# Allegro board MCU075A_LP-CC2652R7.brd (continued)
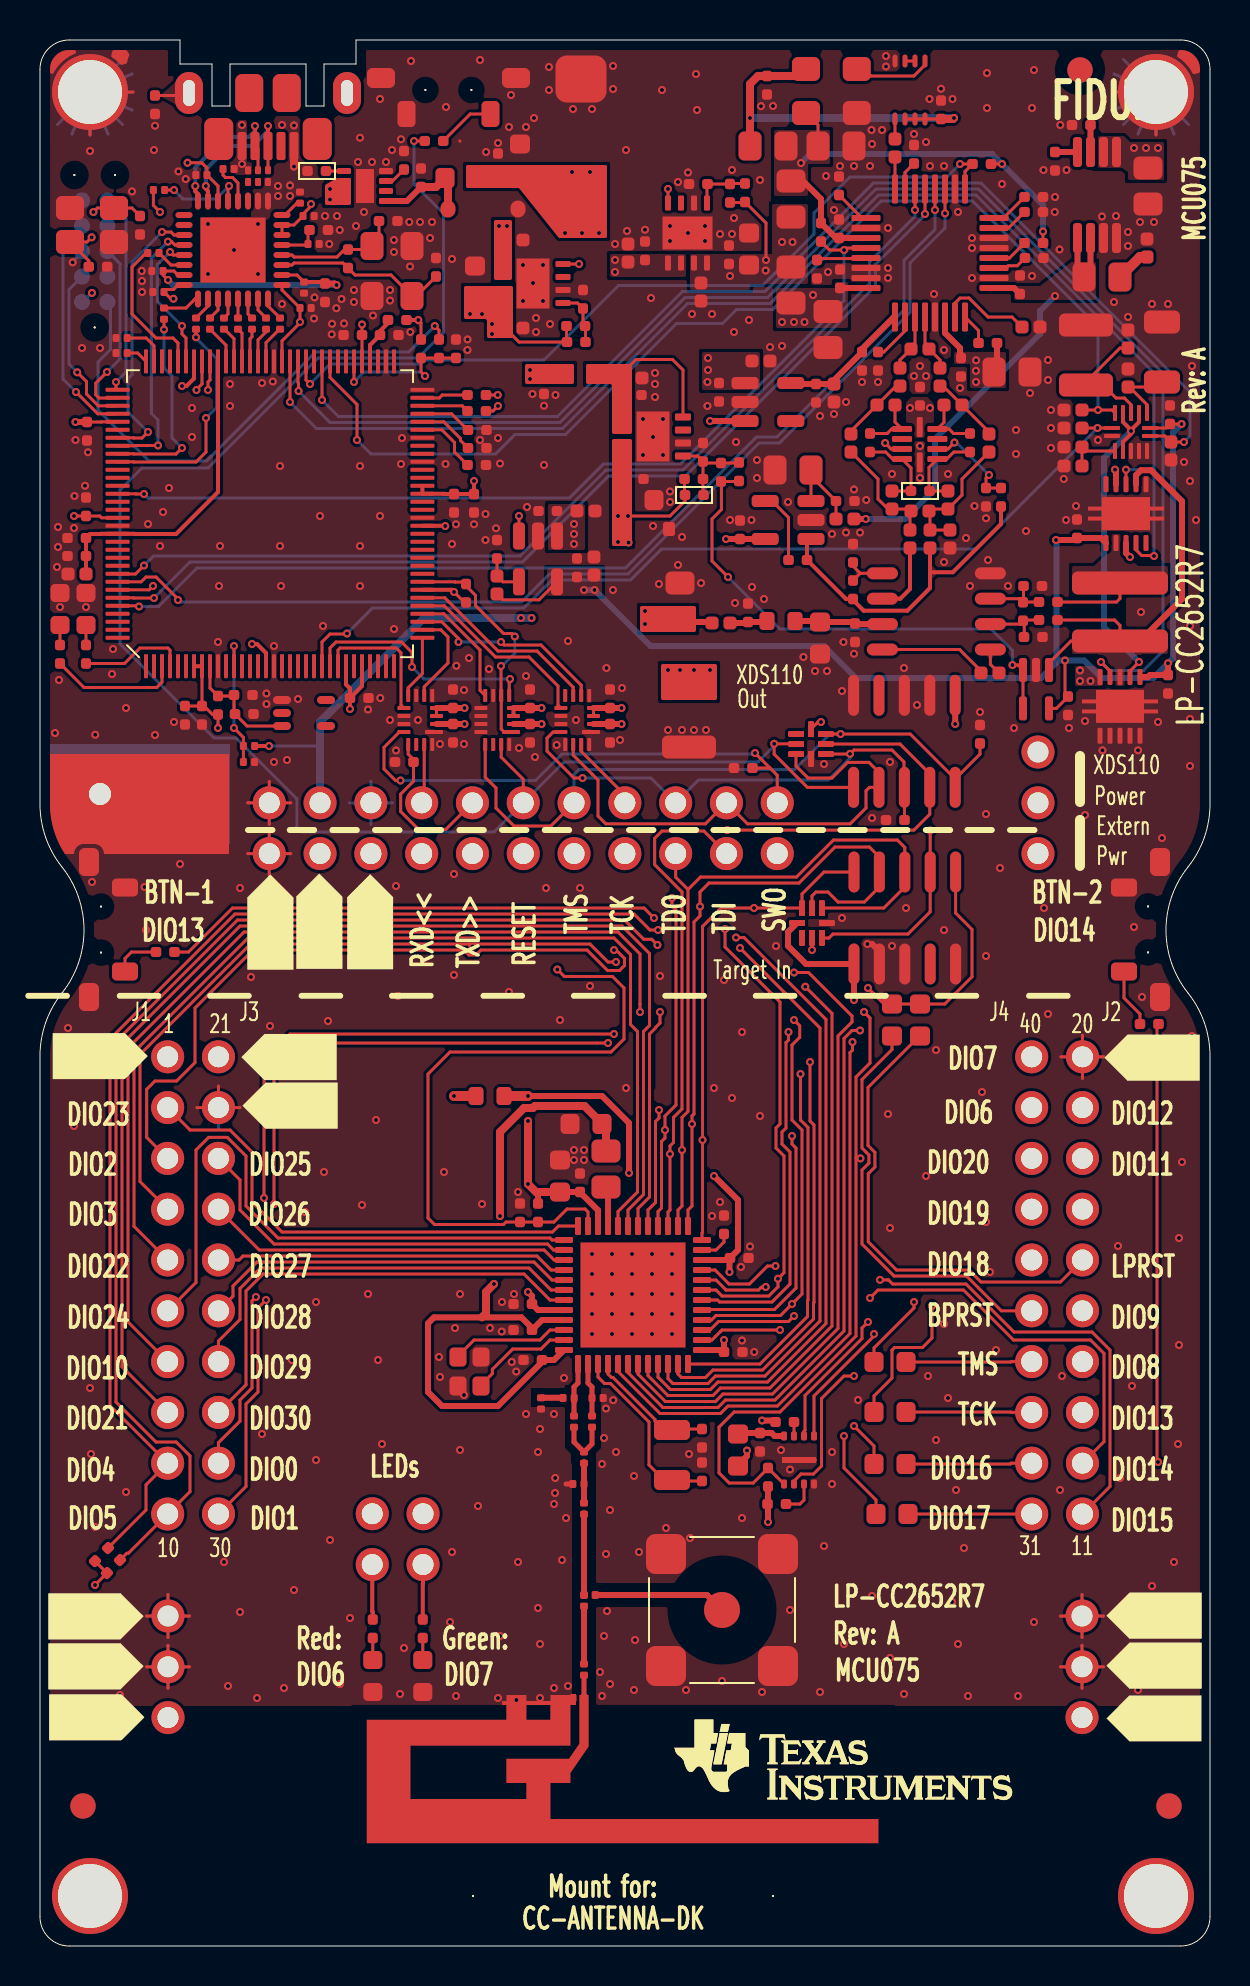
[diagram p0: board, top side]
## Library data of the parts (continued)
U8-U10 = IC_XCVR_SN74AVC4T245_UQFN16_2: User Part Number: #PN; alternate symbols: (QFNFC40P180X260X55-16A2L,QFNFC40P180X260X55-16A2M)
U15 = IC_PROC_USB3300_QFN32: alternate symbols: (QFNWB50P500X500X100-33L,QFNWB50P500X500X100-33M,QFNWB50P500X500X100-33DL,QFNWB50P500X500X100-33DM)
U33 U38 = IC_SWITCH_TS3A24159_SON10: User Part Number: #PN; alternate symbols: (SON50P300X300X100-11A2L,SON50P300X300X100-11A2M)
U34 = IC_LOGIC_SN74LVC2G74_VSSOP8: alternate symbols: (SOP50P310X90-8L,SOP50P310X90-8M)
U35 = IC_ADC_ADS127L01_QFP32_0: User Part Number: #PN; alternate symbols: (QFP50P700X700X120-32A2L,QFP50P700X700X120-32A2M)
U36 = IC_OPAMP_INA118U_SO8: alternate symbols: (SOIC127P600X175-8A2L,SOIC127P600X175-8A2M)
U37 = IC_OPAMP_THS4551_QFN10: User Part Number: #PN; alternate symbols: (QFNFCP50P200X200X80-10A2L,QFNFCP50P200X200X80-10A2M)
U39 = IC_SWITCH_TS3A4751_QFN14: User Part Number: #PN; alternate symbols: (QFNFC40P200X200X40-14A2L,QFNFC40P200X200X40-14A2M)
U40 = IC_REF_REF6025_VSSOP8: User Part Number: #PN; alternate symbols: (SOP65P490X110-8A2L,SOP65P490X110-8A2M)
U41 = IC_OPAMP_OPA320_SOT23-5: User Part Number: #PN; alternate symbols: (SOT95P280X145-5A2L,SOT95P280X145-5A2M)
U43 = IC_PM_LP5907-1_8_SOT23-5: User Part Number: #PN; alternate symbols: (SOT95P280X145-5A2L,SOT95P280X145-5A2M)
U44 = IC_PM_TPS73101_SOT23-5: User Part Number: #PN; alternate symbols: (SOT95P280X145-5A2L,SOT95P280X145-5A2M)
U45 = IC_OPAMP_OPA314_SC70-5: User Part Number: #PN; alternate symbols: (SOT65P210X110-5A2L,SOT65P210X110-5A2M)
U47 = IC_PM_TPS259530_WSON8: alternate symbols: (SON50P200X200X80-9A2L,SON50P200X200X80-9A2M)
Y1 = XTAL: User Part Number: #PN; alternate symbols: (XTAL_TZ1166C_B2L,XTAL_TZ1166C_B2M)
Y2 = XTAL_4_V3: User Part Number: #PN; alternate symbols: (OSCCC200X160X50-4A2L,OSCCC200X160X50-4A2M)
Y3 = XTAL_4: alternate symbols: (OSCCC250X320X100-4BL,OSCCC250X320X100-4BM)
Y4 = XTAL_4: alternate symbols: (OSCCC250X320X70-4AL,OSCCC250X320X70-4AM)
Y5 = XTAL_GEN_EN_V1: User Part Number: #PN; alternate symbols: (OSCSC254P320X500X130-4A2L,OSCSC254P320X500X130-4A2M)

## Footprints (pads in the part's own frame, mm; a bottom-side part is the same pattern mirrored in y, then rotated)
ANTENNA_DN007AN
  rect 0.46x0.5 smd: 1(0,0)
  rect 1.001x0.5 smd: 2(1.18,0) 3(3.38,0)
CAPC0603X35B2N
  custom 0.35x0.4 smd: 1(0,0) 2(0.56,0)
CAPC1005X60A2N
  custom 0.65x0.64 smd: 1(0,0) 2(0.9,0)
CAPC1005X60B2N
  custom 0.524x0.5 smd: 1(0,0) 2(0.924,0)
CAPC1608X90A2N
  custom 0.95x1 smd: 1(0,0) 2(1.6,0)
CAPC1608X100A2N
  custom 0.95x1 smd: 1(0,0) 2(1.6,0)
CAPC2012X150A2N
  custom 1.15x1.45 smd: 1(0,0) 2(1.8,0)
CAPC3225X280A2N
  custom 1.15x2.7 smd: 1(0,0) 2(3,0)
CAPMP7343X200N
  custom 2.35x2.55 smd: 1(0,0) 2(6.2,0)
DIO_BZX84JN
  custom 0.6x0.7 smd: 1(0,0) 2(2.2,0)
FID127X142
  round 1.27 smd: 1(0,0)
FIL_BLM18HE152SN1DN
  custom 0.95x1 smd: 1(0,0) 2(1.6,0)
FIL_BLM18HE152SN1DN#2
  custom 0.752x0.9 smd: 1(0,0) 2(1.4,0)
FILC2012X110A2N
  custom 1.15x1.45 smd: 1(0,0) 2(1.8,0)
GRADCONN_BB02HC031KB1603000_A2B
  round 1.65 hole 1.05: 1(0,0) 2(2.54,0) 3(5.08,0)
GRADCONN_BB02HJ041KB1603000_A2B
  round 1.65 hole 1.05: 1(0,0) 2(0,2.54) 3(2.54,0) 4(2.54,2.54)
GRADCONN_BB02HJ221KB160300_A2B
  round 1.65 hole 1.05: 1(0,0) 2(0,2.54) 3(2.54,0) 4(2.54,2.54) 5(5.08,0) 6(5.08,2.54) 7(7.62,0) 8(7.62,2.54) 9(10.16,0) 10(10.16,2.54) 11(12.7,0) 12(12.7,2.54) 13(15.24,0) 14(15.24,2.54) 15(17.78,0) 16(17.78,2.54) 17(20.32,0) 18(20.32,2.54) 19(22.86,0) 20(22.86,2.54) 21(25.4,0) 22(25.4,2.54)
HUSTSAN_SMA10V21TGGAN
  round 1.8 smd: 1(0,0)
  custom 2x2 smd: 2(-2.8,-2.8) 3(2.8,-2.8) 4(2.8,2.8) 5(-2.8,2.8)
INDC0603X33A2N
  custom 0.35x0.4 smd: 1(0,0) 2(0.56,0)
INDC2012X150A2N
  custom 1.15x1.45 smd: 1(0,0) 2(1.8,0)
LEDC1608X40N
  custom 0.9x0.95 smd: 1(0,0) 2(1.6,0)
LEDC1608X80B2N
  custom 0.9x0.95 smd: 1(0,0) 2(1.6,0)
MOLEX_1051640001_B2N
  custom 1.45x2.1 smd: (-1.162,0.35) (3.762,0.35)
  custom 1.4x1.9 smd: (0.362,2.65) (2.238,2.65)
  custom 0.45x1.4 smd: 1(0,0) 2(0.65,0) 3(1.3,0) 4(1.95,0) 5(2.6,0)
  oval 1.4x2.1 hole 0.6x1.3: M1(-2.65,2.65) M2(5.25,2.65)
MTG110_170
  round 1.699 hole 1.1: 1(0,0)
MTG320_380
  round 3.8 hole 3.2: 1(0,0)
OSCCC200X160X50-4A2N
  custom 0.95x0.85 smd: 1(0,0) 2(1.45,0) 3(1.45,1.15) 4(0,1.15)
OSCCC250X320X70-4AN
  custom 1.4x1.15 smd: 1(0,0) 2(2.5,0) 3(2.5,2) 4(0,2)
OSCCC250X320X100-4BN
  custom 1.402x1.198 smd: 1(0,0) 2(2.2,0) 3(2.2,1.7) 4(0,1.7)
OSCSC254P320X500X130-4A2N
  custom 1.4x1.2 smd: 1(0,0) 2(2.54,0) 3(2.54,2.2) 4(0,2.2)
QFN50P150X150X60-8N
  custom 0.3x0.8 smd: 1(0,0) 2(0.5,0) 3(1,0) 5(1,1.5) 6(0.5,1.5) 7(0,1.5)
  custom 0.8x0.3 smd: 4(1.25,0.75) 8(-0.25,0.75)
QFNFC40P180X260X55-16A2N
  custom 0.2x0.9 smd: 1(0,0)
  custom 0.2x0.65 smd: 2(0.4,-0.125) 3(0.8,-0.125) 4(1.2,-0.125) 9(1.2,1.505) 10(0.8,1.505) 11(0.4,1.505) 12(0,1.505)
  custom 0.65x0.2 smd: 5(1.825,0.09) 6(1.825,0.49) 7(1.825,0.89) 8(1.825,1.29) 13(-0.625,1.29) 14(-0.625,0.89) 15(-0.625,0.49) 16(-0.625,0.09)
QFNFC40P200X200X40-14A2N
  custom 0.2x0.8 smd: 1(0,0) 2(0.4,0) 3(0.8,0) 4(1.2,0) 5(1.6,0) 8(1.6,1.9) 9(1.2,1.9) 10(0.8,1.9) 11(0.4,1.9) 12(0,1.9)
  custom 0.8x0.2 smd: 6(1.75,0.75) 7(1.75,1.15) 13(-0.15,1.15) 14(-0.15,0.75)
QFNFC50P700X700X100-49A2N
  custom 0.3x0.9 smd: 1(0,0) 2(0.5,0) 3(1,0) 4(1.5,0) 5(2,0) 6(2.5,0) 7(3,0) 8(3.5,0) 9(4,0) 10(4.5,0) 11(5,0) 12(5.5,0) 25(5.5,6.9) 26(5,6.9) 27(4.5,6.9) 28(4,6.9) 29(3.5,6.9) 30(3,6.9) 31(2.5,6.9) 32(2,6.9) 33(1.5,6.9) 34(1,6.9) 35(0.5,6.9) 36(0,6.9)
  custom 0.9x0.3 smd: 13(6.2,0.7) 14(6.2,1.2) 15(6.2,1.7) 16(6.2,2.2) 17(6.2,2.7) 18(6.2,3.2) 19(6.2,3.7) 20(6.2,4.2) 21(6.2,4.7) 22(6.2,5.2) 23(6.2,5.7) 24(6.2,6.2) 37(-0.7,6.2) 38(-0.7,5.7) 39(-0.7,5.2) 40(-0.7,4.7) 41(-0.7,4.2) 42(-0.7,3.7) 43(-0.7,3.2) 44(-0.7,2.7) 45(-0.7,2.2) 46(-0.7,1.7) 47(-0.7,1.2) 48(-0.7,0.7)
  rect 5.25x5.25 smd: 49(2.75,3.45)
QFNFCP50P200X200X80-10A2N
  custom 0.3x1 smd: 1(0,0) 2(0.5,0) 3(1,0) 4(1.5,0) 6(1.5,1.77) 7(1,1.77) 8(0.5,1.77) 9(0,1.77)
  custom 1x0.3 smd: 5(1.67,0.885) 10(-0.1,0.885)
QFNWB50P500X500X100-33N
  oval 0.3x0.851 smd: 1(0,0) 2(0.5,0) 3(1,0) 4(1.5,0) 5(2,0) 6(2.5,0) 7(3,0) 8(3.5,0) 17(3.5,4.9) 18(3,4.9) 19(2.5,4.9) 20(2,4.9) 21(1.5,4.9) 22(1,4.9) 23(0.5,4.9) 24(0,4.9)
  oval 0.851x0.3 smd: 9(4.2,0.7) 10(4.2,1.2) 11(4.2,1.7) 12(4.2,2.2) 13(4.2,2.7) 14(4.2,3.2) 15(4.2,3.7) 16(4.2,4.2) 25(-0.7,4.2) 26(-0.7,3.7) 27(-0.7,3.2) 28(-0.7,2.7) 29(-0.7,2.2) 30(-0.7,1.7) 31(-0.7,1.2) 32(-0.7,0.7)
  rect 3.25x3.25 smd: 33(1.75,2.45)
QFP40P1600X1600X120-128A2N
  custom 0.2x1.2 smd: 1(0,0) 2(0.4,0) 3(0.8,0) 4(1.2,0) 5(1.6,0) 6(2,0) 7(2.4,0) 8(2.8,0) 9(3.2,0) 10(3.6,0) 11(4,0) 12(4.4,0) 13(4.8,0) 14(5.2,0) 15(5.6,0) 16(6,0) 17(6.4,0) 18(6.8,0) 19(7.2,0) 20(7.6,0) 21(8,0) 22(8.4,0) 23(8.8,0) 24(9.2,0) 25(9.6,0) 26(10,0) 27(10.4,0) 28(10.8,0) 29(11.2,0) 30(11.6,0) 31(12,0) 32(12.4,0) 65(12.4,15.24) 66(12,15.24) 67(11.6,15.24) 68(11.2,15.24) 69(10.8,15.24) 70(10.4,15.24) 71(10,15.24) 72(9.6,15.24) 73(9.2,15.24) 74(8.8,15.24) 75(8.4,15.24) 76(8,15.24) 77(7.6,15.24) 78(7.2,15.24) 79(6.8,15.24) 80(6.4,15.24) 81(6,15.24) 82(5.6,15.24) 83(5.2,15.24) 84(4.8,15.24) 85(4.4,15.24) 86(4,15.24) 87(3.6,15.24) 88(3.2,15.24) 89(2.8,15.24) 90(2.4,15.24) 91(2,15.24) 92(1.6,15.24) 93(1.2,15.24) 94(0.8,15.24) 95(0.4,15.24) 96(0,15.24)
  custom 1.2x0.2 smd: 33(13.82,1.42) 34(13.82,1.82) 35(13.82,2.22) 36(13.82,2.62) 37(13.82,3.02) 38(13.82,3.42) 39(13.82,3.82) 40(13.82,4.22) 41(13.82,4.62) 42(13.82,5.02) 43(13.82,5.42) 44(13.82,5.82) 45(13.82,6.22) 46(13.82,6.62) 47(13.82,7.02) 48(13.82,7.42) 49(13.82,7.82) 50(13.82,8.22) 51(13.82,8.62) 52(13.82,9.02) 53(13.82,9.42) 54(13.82,9.82) 55(13.82,10.22) 56(13.82,10.62) 57(13.82,11.02) 58(13.82,11.42) 59(13.82,11.82) 60(13.82,12.22) 61(13.82,12.62) 62(13.82,13.02) 63(13.82,13.42) 64(13.82,13.82) 97(-1.42,13.82) 98(-1.42,13.42) 99(-1.42,13.02) 100(-1.42,12.62) 101(-1.42,12.22) 102(-1.42,11.82) 103(-1.42,11.42) 104(-1.42,11.02) 105(-1.42,10.62) 106(-1.42,10.22) 107(-1.42,9.82) 108(-1.42,9.42) 109(-1.42,9.02) 110(-1.42,8.62) 111(-1.42,8.22) 112(-1.42,7.82) 113(-1.42,7.42) 114(-1.42,7.02) 115(-1.42,6.62) 116(-1.42,6.22) 117(-1.42,5.82) 118(-1.42,5.42) 119(-1.42,5.02) 120(-1.42,4.62) 121(-1.42,4.22) 122(-1.42,3.82) 123(-1.42,3.42) 124(-1.42,3.02) 125(-1.42,2.62) 126(-1.42,2.22) 127(-1.42,1.82) 128(-1.42,1.42)
QFP50P700X700X120-32A2N
  custom 0.3x1.45 smd: 1(0,0) 2(0.5,0) 3(1,0) 4(1.5,0) 5(2,0) 6(2.5,0) 7(3,0) 8(3.5,0) 17(3.5,6.4) 18(3,6.4) 19(2.5,6.4) 20(2,6.4) 21(1.5,6.4) 22(1,6.4) 23(0.5,6.4) 24(0,6.4)
  custom 1.45x0.3 smd: 9(4.95,1.45) 10(4.95,1.95) 11(4.95,2.45) 12(4.95,2.95) 13(4.95,3.45) 14(4.95,3.95) 15(4.95,4.45) 16(4.95,4.95) 25(-1.45,4.95) 26(-1.45,4.45) 27(-1.45,3.95) 28(-1.45,3.45) 29(-1.45,2.95) 30(-1.45,2.45) 31(-1.45,1.95) 32(-1.45,1.45)
RESC0603X35B2N
  custom 0.35x0.4 smd: 1(0,0) 2(0.56,0)
RESC1005X40A2N
  custom 0.65x0.64 smd: 1(0,0) 2(0.9,0)
RESC1005X40B2N
  custom 0.524x0.5 smd: 1(0,0) 2(0.924,0)
RESC1005X50A2N
  custom 0.65x0.64 smd: 1(0,0) 2(0.9,0)
RESC1608X55A2N
  custom 0.95x1 smd: 1(0,0) 2(1.6,0)
RESC1608X55N
  custom 0.95x1 smd: 1(0,0) 2(1.6,0)
RESC3216X75A2N
  custom 1.15x1.8 smd: 1(0,0) 2(3,0)
RESC3225X75A2N
  custom 1.15x2.7 smd: 1(0,0) 2(3,0)
RESC3246X70A2N
  custom 1.15x4.8 smd: 1(0,0) 2(2.9,0)
SAMTEC_FTSH-105-01-F-DV-K-10L
  oval 0.551x2.05 smd: 1(0,0) 2(0,4.6) 3(1.27,0) 4(1.27,4.6) 5(2.54,0) 6(2.54,4.6) 7(3.81,0) 8(3.81,4.6) 9(5.08,0) 10(5.08,4.6)
SAMTEC_SSQ11023LD_A2B
  round 1.65 hole 1.05: 1(0,0) 2(2.54,0) 3(0,2.54) 4(2.54,2.54) 5(0,5.08) 6(2.54,5.08) 7(0,7.62) 8(2.54,7.62) 9(0,10.16) 10(2.54,10.16) 11(0,12.7) 12(2.54,12.7) 13(0,15.24) 14(2.54,15.24) 15(0,17.78) 16(2.54,17.78) 17(0,20.32) 18(2.54,20.32) 19(0,22.86) 20(2.54,22.86)
SOD3716X135N
  oval 0.75x0.85 smd: 1(0,0) 2(3.5,0)
SOIC127P600X175-8N
  oval 0.6x1.55 smd: 1(0,0) 2(1.27,0) 3(2.54,0) 4(3.81,0) 5(3.81,5.4) 6(2.54,5.4) 7(1.27,5.4) 8(0,5.4)
SON50P100X145X60-6N
  custom 0.3x0.402 smd: 1(0,0) 2(0.5,0) 3(1,0) 4(1,0.59) 5(0.5,0.59) 6(0,0.59)
SON50P200X200X80-9A2N
  custom 0.3x0.7 smd: 1(0,0) 2(0.5,0) 3(1,0) 4(1.5,0) 5(1.5,2.1) 6(1,2.1) 7(0.5,2.1) 8(0,2.1)
  rect 1.7x0.9 smd: 9(0.75,1.05)
SON50P300X200X60-9B2L
  custom 0.3x0.45 smd: 1(0,0) 2(0.5,0) 3(1,0) 4(1.5,0) 5(1.5,2.4) 6(1,2.4) 7(0.5,2.4) 8(0,2.4)
  rect 1.7x0.3 smd: 9(0.75,1.2)
SON50P300X300X100-11A2N
  custom 0.25x0.8 smd: 1(0,0) 2(0.5,0) 3(1,0) 4(1.5,0) 5(2,0) 6(2,2.94) 7(1.5,2.94) 8(1,2.94) 9(0.5,2.94) 10(0,2.94)
  custom 3.8x1.65 smd: 11(1,1.47)
SON65P300X300X100-9AN
  custom 0.3x0.75 smd: 1(0,0) 2(0.65,0) 3(1.3,0) 4(1.95,0) 5(1.95,3) 6(1.3,3) 7(0.65,3) 8(0,3)
  rect 2.5x1.65 smd: 9(0.975,1.5)
SON65P300X300X100-9AN#2
  custom 0.35x0.8 smd: 1(0,0) 2(0.65,0) 3(1.3,0) 4(1.95,0) 5(1.95,3) 6(1.3,3) 7(0.65,3) 8(0,3)
  rect 2.5x1.65 smd: 9(0.975,1.5)
SOP50P310X90-8N
  oval 0.25x0.65 smd: 1(0,0) 2(0.5,0) 3(1,0) 4(1.5,0) 5(1.5,2.9) 6(1,2.9) 7(0.5,2.9) 8(0,2.9)
SOP65P490X110-8A2N
  custom 0.45x1.5 smd: 1(0,0) 2(0.65,0) 3(1.3,0) 4(1.95,0) 5(1.95,4.3) 6(1.3,4.3) 7(0.65,4.3) 8(0,4.3)
SOT65P210X110-5A2N
  custom 0.4x1.2 smd: 1(0,0) 2(0.65,0) 3(1.3,0) 4(1.3,1.92) 5(0,1.92)
SOT65P210X110-5N
  oval 0.399x0.899 smd: 1(0,0) 2(0.65,0) 3(1.3,0) 4(1.3,2.2) 5(0,2.2)
SOT95P280X145-5A2N
  custom 0.6x1.35 smd: 1(0,0) 2(0.95,0) 3(1.9,0) 4(1.9,2.29) 5(0,2.29)
SW_1188E1K2V_A2N
  round 0.099 hole 0.899 unplated: (2.229,0.6) (4.529,0.6)
  custom 1.4x1 smd: 1(0,0) 2(6.75,0)
  custom 0.9x1.3 smd: 3(1.275,1.8) 4(5.475,1.8)
TAGCONNECT_TC2050IDCNL_A2N
  round 0.1 hole 1 unplated: (-1.27,0.635) (6.35,-0.38) (6.35,1.65)
  round 0.8 smd: 1(0,0) 2(1.27,0) 3(2.54,0) 4(3.81,0) 5(5.08,0) 6(5.08,1.27) 7(3.81,1.27) 8(2.54,1.27) 9(1.27,1.27) 10(0,1.27)
unnamed#2
  round 0.099 hole 3.2 unplated: (0,0) (15,0)
XTAL_TZ1166C_B2N
  custom 1x1.8 smd: 1(0,0) 2(2.5,0)

## Nets
5V0: C48.1 C110.1 C111.2 C112.1 C151.1 C152.1 C157.1 C160.1 C161.1 C164.1 C168.1 C484.1 FL2.1 FL5.2 P4.19 R92.2 R354.2 U7.1 U7.2 U7.8 U42.1 U42.2 U42.8 U43.1 U43.3 U44.1 U44.3
5V0_BP: J1.2 P2.1 P4.20
GND: A1.2 A1.3(GND_3) C1.2 C2.2 C3.2 C4.2 C6.2 C7.2 C8.2 C9.2 C11.1 C15.1 C17.2 C18.2 C19.2 C20.2 C21.2 C22.1 C30.2 C38.2 C39.2 C40.2 C42.2 C43.2 C44.2 C45.2 C46.2 C48.2 C49.2 C50.2 C70.2 C71.2 C72.2 C73.2 C74.2 C75.2 C78.2 C79.2 C80.2 C83.2 C84.2 C85.1 C86.1 C87.2 C88.1 C89.2 C99.2 C101.2 C102.2 C103.2 C104.2 C105.2 C106.2 C107.2 C108.2 C109.2 C110.2 C111.1 C112.2 C113.2 C114.2 C115.2 C116.2 C117.2 C118.2 C119.2 C120.2 C121.2 C122.2 C124.1 C125.1 C126.1 C127.2 C128.2 C133.2 C134.2 C136.2 C137.2 C138.2 C139.2 C140.2 C141.2 C142.2 C143.2 C144.2 C145.2 C147.2 C149.2 C151.2 C152.2 C154.2 C155.2 C156.2 C157.2 C158.2 C159.2 C160.2 C161.2 C162.2 C163.2 C164.2 C165.2 C166.2 C168.2 C170.1 C171.2 C174.2 C175.2 C484.2 C485.2 C486.2 CR1.1(C) CR2.1(C) CR4.1(C) CR5.1(C) CR6.3 CR7.4 CR8.4 CR14.2 CR15.2 J1.4 J2.2 J6.5 MH3.1 MH4.1 MH5.1 P1.2 P1.3 P2.2 P2.3 P4.21 P4.22 P5.3 P5.5 P5.9 P7.3 P7.5 P7.9 P8.3 P8.5 P8.9 P11.2 P11.3 P11.4 P11.5 R21.2 R28.1 R29.2 R30.2 R32.1 R34.1 R61.1 R62.1 R63.1 R65.1 R84.1 R90.1 R91.1 R93.2 R97.2 R105.1 R106.1 R115.2 R116.1 R117.1 R118.1 R122.1 R123.1 R125.1 R126.2 R127.2 R128.2 R129.2 R130.2 R133.1 R135.1 R136.1 R152.1 R353.1 SW1.1 SW1.2 SW1.3 SW2.1 SW2.2 SW2.4 SW3.1 SW3.2 SW3.4 U1.49 U4.4 U4.9 U5.10 U5.17 U5.48 U5.55 U5.58 U5.64 U5.66 U5.80 U5.114 U6.1 U7.6 U7.9 U8.1 U8.5 U8.7 U8.10 U8.11 U8.16 U9.1 U9.5 U9.10 U9.11 U9.13 U9.16 U10.7 U10.9 U10.10 U10.11 U10.12 U10.16 U15.1 U15.2 U15.33 U33.6 U33.11 U34.4 U35.5 U35.10 U35.13 U35.14 U35.18 U35.26 U35.30 U35.31 U36.4(V-) U37.5(VS-) U38.6 U38.7 U38.8 U38.9 U38.10 U38.11 U39.7 U39.10 U39.11 U39.12 U40.7 U40.8 U41.2(V-) U42.6 U42.9 U43.2 U44.2 U45.2(V-) U46.6 U46.9 U47.8 U47.9 Y2.2 Y2.4(GND#4) Y3.2 Y3.4 Y4.2 Y4.4 Y5.2
VBUS_DET: R92.1 R93.1 U5.12
VDDC: C43.1 C44.1 C45.1 U5.87(VDDC#87) U5.115
VDDR: C105.1 C106.1 C107.1 L1.2 U1.45 U1.48
VDDS: C99.1 C101.1 C102.1 C103.1 C104.1 FL1.1 R1.2 U1.13 U1.22 U1.34 U1.44
BP_RESET: J2.11 R52.1
DCDC_SW: L1.1 U1.33
DIO0: J1.18 U1.5
DIO1: J1.20 U1.6
DIO4_SCL: J1.17 R3.1 U1.9
DIO5_SDA: J1.19 R2.1 U1.10
DIO6_RLED: J2.3 P6.2 U1.11
DIO7_GLED: J2.1 P6.4 U1.12
DIO8_MISO: J2.14 U1.14 U4.2
DIO9_MOSI: J2.12 U1.15(DIO_9) U4.5
DIO10_SCLK: J1.13 U1.16 U4.6
DIO11_CS: J2.6 U1.17
DIO12: J2.4 U1.18
DIO13_BTN1: J2.16 R56.2 U1.19
DIO14_BTN2: J2.18 R55.2 U1.20
DIO15: J2.20 U1.21
DIO16_TDO: CR8.5 P4.6 P5.6 R48.2 U1.26
DIO17_TDI: CR8.3 P4.4 P5.8 R49.2 U1.27
DIO19_CTS: J2.7 U1.29
DIO20_FLASH_CS: J2.5 R11.1 U1.30 U4.1
DIO21: J1.15 U1.31
DIO22: J1.9 U1.32
DIO23_ANALOG: J1.3 U1.36
DIO24_ANALOG: J1.11 U1.37
DIO25_ANALOG: J1.6 U1.38
DIO26_ANALOG: J1.8 U1.39
DIO27_ANALOG: J1.10 U1.40
DIO28_ANALOG: J1.12 U1.41
DIO29_ANALOG: J1.14 U1.42
DIO30_ANALOG: J1.16 U1.43
ET_1V8: C128.1 C158.1 C159.1 U35.1 U43.5(OUT)
ET_3V3: C126.2 C141.1 C142.1 C153.1 C154.1 C155.1 C156.1 L333.1 L334.2 R132.2 U37.3 U37.10 U40.1(VIN) U40.2 U41.5 U42.3 U42.4(OUT#4)
ET_5V0: C125.2 C165.1 FL4.1 U36.7
ET_AVDD: C119.1 C120.1 C121.1 C122.1 L334.1 R98.1 U35.6 U35.32
ET_BYPASS: U5.78 U33.4 U33.8
ET_CAL0: R129.1 U5.74 U39.13
ET_CAL1: R128.1 U5.73 U39.5
ET_CAL2: R127.1 U5.23 U39.6
ET_CALIBRATE: U5.77 U38.4
ET_DVDD: C116.1 C117.1 L332.1 L333.2 R96.1 R114.1 R119.1 U35.27 Y5.1
ET_FB: C169.2 R138.1 U45.3 U45.4
ET_PM2: R96.2 U5.76 U35.17(START)
ET_PN3: R114.2 U5.110 U35.28
ET_SSICLK: U5.120 U35.22
ET_SSIDAT0: U5.123 U35.21
ET_SSIDAT1: U5.124 U35.20
ET_SSIFSS: U5.121 U35.19
ET_VDD: C172.1 C174.1 C485.1 C486.1 CR14.1(CATHODE) P10.1 R151.2 U46.3 U46.4(OUT#4)
ET_VREF: C127.1 C146.1 R121.1 U35.9 U40.5 U40.6
IRSTN: P8.10 R20.2
ITCK: P8.4 U5.100
ITDI: P8.8 U5.98
ITDO: P8.6 U5.97
ITMS: P8.2 U5.99
LP_RESET: J2.10 R51.1
LS_VDD: C70.1 C72.1 C74.1 CR7.8(VCC) P7.1 P10.2 U8.2(VCCB) U9.2(VCCB) U10.2(VCCB) U33.3 U33.9
SW_VDD: C114.1 C139.1 C140.1 C162.1 C163.1 C170.2 R134.2 U33.1(VCC) U38.1(VCC) U39.14(VCC) U44.5(OUT) U45.5
TARGET_VDD: P4.17 U38.5
USB1V8: C83.1 C84.1 C85.2 U15.15 U15.26
USB_VBUS: CR6.6 J6.1(VCC) R82.2 U47.2 U47.3 U47.4
USBA1V8: C86.2 C87.1 U15.29
USBCLK: R148.2 U5.92
USBD0: R140.2 U5.81
USBD1: R141.2 U5.82
USBD2: R142.2 U5.83
USBD3: R143.2 U5.84
USBD4: R144.2 U5.85
USBD5: R145.2 U5.86
USBD6: R146.2 U5.106
USBD7: R147.2 U5.105
USBDIR: U5.104 U15.12
USBDM: CR6.5 J6.2 U15.8
USBDP: CR6.4 J6.3 U15.7
USBNXT: U5.103 U15.11
USBSTP: U5.91 U15.13
VCM: R100.1 R109.2 R111.2 R131.1 U41.1
WMCU_RESET: C20.1 CR8.2 P4.12 P5.10 R1.1 R51.2 R52.2 U1.35
WMCU_RXD: J1.5 P4.16 U1.7
WMCU_SWO: J2.9 P4.2 U1.28
WMCU_TCK: CR8.6 P4.8 P5.4 R47.2 U1.25
WMCU_TMS: CR8.7 P4.10 P5.2 R46.2 U1.24
WMCU_TXD: J1.7 P4.14 U1.8
WMCU_VDD: CR8.8(VCC) FL1.2 J1.1 P1.1 P4.18 P5.1 P10.3 R2.2 R3.2 R11.2 R59.2 R60.2 R89.2
XDS_RESET: R58.1 U5.40 U10.1 U10.6
XDS_RESET_LS: CR7.2 P4.11 P7.10 R57.2 U10.15
XDS_RX: U5.33 U8.8
XDS_RX_LS: P4.13 R61.2 U8.13
XDS_SWO: U5.25 U8.9
XDS_SWO_LS: P4.1 R62.2 U8.12
XDS_TCK: U5.35 U9.6
XDS_TCK_LS: CR7.6 P4.7 P7.4 U9.15
XDS_TDI: U5.38 U9.7
XDS_TDI_LS: CR7.3 P4.3 P7.8 U9.14
XDS_TDO: U5.37 U9.9
XDS_TDO_LS: CR7.5 P4.5 P7.6 R63.2 U9.12
XDS_TMS: U5.36 U10.8
XDS_TMS_DIR: U5.24 U10.5
XDS_TMS_LS: CR7.7 P4.9 P7.2 R65.2 U10.13
XDS_TX: U5.34 U8.6
XDS_TX_LS: P4.15 U8.15
XDS_VDD: C2.1 C3.1 C4.1 C6.1 C7.1 C38.1 C39.1 C40.1 C42.1 C47.1 C49.1 C71.1 C73.1 C75.1 C78.1 C79.1 C80.1 C113.1 P8.1 R17.2 R18.2 R27.1 R31.2 R33.2 R39.1 R58.2 R83.1 U5.7 U5.8 U5.16 U5.26 U5.28 U5.39 U5.47 U5.51 U5.52 U5.69 U5.79 U5.90 U5.101 U5.113 U5.122 U7.3 U7.4(OUT#4) U8.3 U8.4 U9.3 U9.4 U10.3 U10.4 U15.6 U15.16 U15.25 U15.30 U15.31
N1013277: U1.46 Y2.3
N1013851: C21.1 L21.1 U1.2
N1013859: C12.1 L12.2 U1.1
N1013883: C11.2 L12.1
N1013899: C12.2 L13.1 L21.2
N1013927: C22.2 L13.2 L14.1
N1013977: A1.1 C15.2 C31.2
N1014081: C19.1 U1.23
N1014101: C17.1 U1.3 Y1.1
N1014113: C18.1 U1.4 Y1.2
N1014125: C14.1 C24.1 L14.2
N1017630: C30.1 R89.1 U4.8(VCC)
N1018937: U1.47 Y2.1
N1105722: CR1.2 R15.1
N1105771: CR2.2 R14.1
N1105824: P6.1 R14.2
N1106228: P6.3 R15.2
N1176544: J2.13 R46.1
N1176548: J2.15 R47.1
N1176568: J2.17 R48.1
N1177007: J2.19 R49.1
N1288065: R55.1 SW2.3
N1288098: R56.1 SW1.4
N1409884: R59.1 U4.3
N1409917: R60.1 U4.7
N1429173: C24.2 P11.1
N1992877: C14.2 C31.1
N2913353: R57.1 SW3.3
N2989040: R90.2 U5.95
N2989108: R91.2 U5.96
N2989302: R23.2 U5.3
N2989344: R25.2 U5.4
N2989548: CR5.2 R25.1
N2989552: CR4.2 R23.1
N2990008: C89.1 R87.2 U15.28 Y4.1
N2990096: C88.2 R87.1 U15.27(XO) Y4.3
N2990274: R83.2 U15.5
N2990440: R39.2 U5.63
N2990548: R84.2 U15.32
N2990572: R27.2 U5.62
N2990660: R29.1 U5.61
N2990800: R30.1 U5.60
N2991220: C46.1 R31.1 U5.68
N2991228: R140.1 U15.24
N2991280: R148.1 U15.14
N2991288: R141.1 U15.23
N2991340: R142.1 U15.22
N2991380: R143.1 U15.21
N2991412: R144.1 U15.20
N2991444: J6.M1 J6.M2 R32.2
N2991472: R145.1 U15.19
N2991544: R146.1 U15.18
N2991624: R147.1 U15.17
N2992020: R17.1 R20.1 R21.1 U5.70
N2992062: C8.1 C50.1 R18.1 U5.9 U6.3
N2992488: C47.2 R33.1 R34.2 U7.5
N2992530: C9.1 U5.88 Y3.1
N2992582: C1.1 U5.89 Y3.3
N2992754: R28.2 U5.59
N3002527: C171.1 C175.1 FL5.1 U46.1 U46.2 U46.8
N3002727: C153.2 R132.1 R133.2 U42.5
N3002875: C169.1 C172.2 R138.2 R151.1 R152.2 U46.5
N3003199: C166.1 FL4.2 R354.1
N3003651: R134.1 R135.2 U44.4
N3019115: C115.1 C118.1 L332.2 U34.6 U34.7 U34.8(VCC) Y5.4(VCC)
N3019409: R99.2 R107.2 U33.2
N3019429: U34.1 Y5.3
N3019469: U34.2 U34.3
N3019477: R94.2 U34.5
N3019481: R94.1 U35.24
N3019505: R107.1 R108.2 U33.7 U38.3 U45.1
N3019673: C129.1 R95.2 R101.1 R102.2
N3019681: R95.1 R103.1 R104.2
N3019921: C123.1 C130.1 R102.1 U37.4
N3019929: C123.2 R103.2 U37.1
N3020133: R97.1 U35.29
N3020245: C124.2 C132.1 R99.1 U36.3
N3020305: R98.2 U35.8
N3020361: R137.2 U36.1
N3020365: R137.1 U36.8
N3020493: R101.2 U36.6
N3020545: C131.1 R104.1 U35.3
N3020557: R105.2 U35.23
N3020617: C132.2 C134.1 R108.1 U36.2
N3020629: C133.1 R111.1 U37.7
N3020645: C131.2 R113.1 U35.4
N3020673: R100.2 R106.2 U36.5
N3020713: C130.2 C135.1 R110.1 U37.6
N3020721: C135.2 R112.2 U37.9
N3020773: C136.1 U35.2
N3020845: C129.2 R109.1 R110.2 R115.1 R120.2
N3020925: C137.1 U35.11
N3021053: R112.1 R113.2 R120.1
N3021073: C138.1 U35.25
N3021173: R116.2 U35.7
N3021345: R117.2 U35.16
N3021377: R118.2 U35.15
N3021465: R119.2 U35.12
N3021635: U38.2 U39.2 U39.4 U39.9
N3022077: C143.1 R123.2 U39.1
N3022153: R136.2 U40.3
N3022165: C147.1 R121.2 R126.1 U41.3
N3022241: C145.1 U40.4
N3022249: C146.2 R122.2
N3022293: C144.1 R125.2 U39.3
N3022413: R131.2 U41.4
N3022507: C149.1 R130.1 U39.8
N3051433: C109.1 CR15.1(CATHODE) FL2.2 U47.5(OUT)
N3051465: C108.1 U47.1
N3051473: R353.2 U47.7
N299023019: R82.1 U15.4

Pads without a net: CR6 1 2; CR7 1; CR8 1; FIDU1 1; FIDU2 1; FIDU3 1; FIDU4 1; FIDU5 1; FIDU6 1; J2 8; J6 4; MH1 1; MH2 1; P5 7; P7 7; P8 7; U5 1 2 5 6 11 13 14 15 18 19 20 21 22 27 29 30 31 32 41 42 43 44 45 46 49 50 53 54 56 57 65 67 71 72 75 93 94 102 107 108 109 111 112 116 117 118 119 125 126 127 128; U6 2 4 5; U7 7; U8 14; U9 8; U10 14; U15 3 9 10; U33 5 10; U37 2 8; U42 7; U43 4; U46 7; U47 6

## Via types
v1: diameter 0.4, hole 0.2, TOP to BOTTOM, 782 vias
v2: diameter 0.5, hole 0.201, TOP to BOTTOM, 25 vias

## Routing (per net, layer and track width the routed paths; a pad name or vN(x,y) marks a point on that pad's centre or on a via; arc(x,y) is an arc through that point)
5V0: length 26
  TOP w0.15: U42.8 v1(31.4,87.85) ; U7.8 v1(26.95,84.1) ; U44.3 v1(23.95,71.5)
  TOP w0.2: R92.2 v1(11.45,60)
  TOP w0.3: C168.1 32.15,66.2 33.55,66.2 R354.2 ; U43.3 v1(33.5,76.25)
  BOTTOM w0.15: 14,60.1 13.9,60 v1(11.45,60)
  BOTTOM w0.4: v1(24.58,66.4) v1(24.05,66.4) 19.2,66.4 14,61.2 P4.19
  vias: v1(22.95,86) v1(23.35,86) v1(24.5,78.8) v1(24.5,78.35) v1(26.25,85.65) v1(26.6,88.7) v1(26.7,71.1) v1(26.7,70.6) v1(26.7,70.1) v1(27.1,85.65) v1(27.5,88.7) v1(27.95,85.65) v1(28.75,84.3) v1(28.75,83.7) v1(30.25,66.75) v1(30.25,66.1) v1(33.4,79.4) v1(33.4,78.8) v1(33.37,78.2)
5V0_BP: length 55.4
  L3 w0.5: P2.1 0.8,17.02 0.8,41.9 4.7,45.8 7.58,45.8 J1.2 14,49.54 P4.20
GND: length 205.6
  TOP w0.15: P4.22 11.46,55.7 ; P4.22 12.54,54.62 ; P4.22 11.46,53.54 ; P4.22 10.39,54.62 ; 2.12,56.72 MH5.1 ; MH5.1 1.86,57.1 ; MH5.1 2.5,58.74 ; MH5.1 3.88,56.72 ; MH5.1 4.14,57.1 ; MH5.1 1.86,58.1 ; MH5.1 3.5,56.46 ; MH5.1 1.9,57.6 ; MH5.1 3,58.7 ; MH5.1 2.5,56.46 ; MH5.1 2.12,58.48 ; MH5.1 3.88,58.48 ; MH5.1 3,56.5 ; MH5.1 4.1,57.6 ; MH5.1 3.5,58.74 ; MH5.1 4.14,58.1 ; P2.2 6.4,15.04 ; P2.2 5.32,13.96 ; P2.2 7.48,13.96 ; P2.2 6.4,12.88 ; P1.3 53.18,16.5 ; P1.3 51.02,16.5 ; P1.3 52.1,15.42 ; P1.3 52.1,17.58 ; 53.65,92.7 MH4.1 55.8,90.55 ; U4.9 38.78,24.3 ; P1.2 52.1,15.04 ; P1.2 51.02,13.96 ; P1.2 52.1,12.88 ; P1.2 53.18,13.96 ; 51.05,44.46 J2.2 ; J2.2 52.12,45.54 ; J2.2 53.2,44.46 ; J2.2 52.12,43.38 ; 2.5,90.55 MH3.1 4.65,92.7 ; 10.39,57.16 P4.21 ; P4.21 12.54,57.16 ; P4.21 11.46,58.24 ; P4.21 11.46,56.08 ; J1.4 10,41.92 ; J1.4 8.92,43 ; J1.4 7.85,41.92 ; 6.4,15.42 P2.3 ; P2.3 7.48,16.5 ; P2.3 5.32,16.5 ; P2.3 6.4,17.58 ; v1(25.7,12.9) 25.78,12.9 ; 20.99,90.25 21,90.24
  TOP w0.25: C22.1 26.3,23.1
  TOP w0.3: v1(41.37,50.1) 41.6,50.1 41.97,49.73 P5.3
  TOP w0.4: v1(12.7,88.97) J6.5
  L2 w0.15: 11.46,53.54 P4.22 ; P4.22 12.54,54.62 ; P4.22 10.39,54.62 ; P4.22 11.46,55.7 ; 52.12,43.38 J2.2 ; J2.2 52.12,45.54 ; J2.2 53.2,44.46 ; J2.2 51.05,44.46 ; 6.4,15.42 P2.3 ; P2.3 6.4,17.58 ; P2.3 7.48,16.5 ; P2.3 5.32,16.5 ; P2.2 6.4,15.04 ; P2.2 7.48,13.96 ; P2.2 6.4,12.88 ; P2.2 5.32,13.96 ; P1.3 53.18,16.5 ; P1.3 52.1,17.58 ; P1.3 52.1,15.42 ; P1.3 51.02,16.5 ; P1.2 53.18,13.96 ; P1.2 52.1,15.04 ; P1.2 52.1,12.88 ; P1.2 51.02,13.96 ; 8.92,40.84 J1.4 ; J1.4 8.92,43 ; J1.4 10,41.92 ; J1.4 7.85,41.92 ; MH5.1 4.1,57.6 ; MH5.1 3,56.5 ; MH5.1 3,58.7 ; MH5.1 1.9,57.6 ; 55.8,90.55 MH4.1 53.65,92.7 ; P4.21 12.54,57.16 ; P4.21 11.46,58.24 ; P4.21 11.46,56.08 ; P4.21 10.39,57.16 ; 4.65,92.7 MH3.1 2.5,90.55
  BOTTOM w0.15: 10.39,57.16 P4.21 11.46,56.08 ; 2.5,90.55 MH3.1 ; MH3.1 4.12,91.08 ; MH3.1 4.61,91.79 ; MH3.1 3.41,90.59 ; MH3.1 4.65,92.7 ; MH3.1 0.88,91.08 ; MH3.1 4.12,94.32 ; MH3.1 1.59,90.59 ; MH3.1 4.61,93.61 ; 2.5,56.46 MH5.1 ; MH5.1 1.9,57.6 ; MH5.1 1.86,58.1 ; MH5.1 2.12,58.48 ; MH5.1 4.14,58.1 ; MH5.1 3.88,58.48 ; MH5.1 4.14,57.1 ; MH5.1 2.12,56.72 ; MH5.1 3,56.5 ; MH5.1 1.86,57.1 ; MH5.1 3.88,56.72 ; MH5.1 3,58.7 ; MH5.1 3.5,56.46 ; MH5.1 3.5,58.74 ; MH5.1 2.5,58.74 ; MH5.1 4.1,57.6 ; 54.18,94.32 MH4.1 ; MH4.1 53.69,91.79 ; MH4.1 53.65,92.7 ; MH4.1 54.89,90.59 ; MH4.1 57.42,91.08 ; MH4.1 54.18,91.08 ; MH4.1 56.71,90.59 ; MH4.1 53.69,93.61 ; MH4.1 55.8,90.55 ; 11.46,53.54 P4.22 ; P4.22 10.39,54.62 ; P4.22 11.46,55.7 ; P4.22 12.54,54.62 ; P1.2 52.1,15.04 ; P1.2 53.18,13.96 ; P1.2 51.02,13.96 ; P1.2 52.1,12.88 ; J2.2 52.12,45.54 ; J2.2 51.05,44.46 ; J2.2 53.2,44.46 ; J2.2 52.12,43.38 ; 5.32,16.5 P2.3 ; P2.3 6.4,15.42 ; P2.3 7.48,16.5 ; P2.3 6.4,17.58 ; P1.3 52.1,17.58 ; P1.3 53.18,16.5 ; P1.3 52.1,15.42 ; P1.3 51.02,16.5 ; v1(1.63,84.18) 1.65,84.18 1.65,84.2 P8.3 ; J1.4 10,41.92 ; J1.4 7.85,41.92 ; J1.4 8.92,40.84 ; J1.4 8.92,43 ; P2.2 7.48,13.96 ; P2.2 6.4,12.88 ; P2.2 5.32,13.96 ; P2.2 6.4,15.04
  vias: v1(0.85,68.95) v1(0.75,60.65) v1(0.85,13.2) v1(0.9,70.95) v1(0.9,69.95) v1(0.95,63.3) v1(0.95,43.85) v1(1,66.95) v1(1.4,45.9) v1(1.72,72.5) v1(1.7,70.9) v1(1.7,41) v1(1.77,75.3) v1(2.1,79.9) v1(2.25,73.01) v1(2.3,66.95) v1(2.4,74.69) v1(2.5,89.75) v1(2.5,27.9) v1(2.5,16.8) v1(2.6,53.2) v1(2.55,24.6) v1(2.76,60.56) v1(2.75,20.95) v1(3,79.9) v1(3.6,63.6) v1(3.65,64.85) v1(4,12.55) v1(4.3,61.9) v1(4.3,22.7) v1(4.6,87.73) v1(5.09,83.75) v1(5.1,83.25) v1(5.1,82.7) v1(5.23,52.95) v1(5.3,50.8) v1(5.4,71.1) v1(5.7,89.8) v1(5.75,91.01) v1(5.75,60.55) v1(6,70) v1(6.15,71.7) v1(6.45,72.9) v1(6.7,61.2) v1(6.92,88.73) v1(7,54.1) v1(7.29,88.35) v1(7.6,76.9) v1(7.6,75.45) v1(8.4,86.1) v1(8.4,83.6) v1(8.95,68) v1(8.9,65.2) v1(9,70) v1(9.2,19.2) v1(9.4,13) v1(9.5,78.1) v1(9.5,77) v1(9.7,84.8) v1(10,52.9) v1(10,16.7) v1(10.55,48.45) v1(10.85,12.4) v1(10.9,86.1) v1(10.9,83.6) v1(11.1,78.15) v1(11.1,25.6) v1(11.32,62.63) v1(11.32,62.1) v1(11.5,46) v1(11.64,78.23) v1(11.7,65) v1(11.7,59.2) v1(11.9,88) v1(11.9,87.5) v1(12,74) v1(12,70) v1(12.1,91.05) v1(12.1,82.1) v1(12.05,68) v1(12.2,12.9) v1(12.35,59.3) v1(12.5,88.03) v1(12.5,87.5) v1(12.6,29.3) v1(12.7,91.03) v1(12.7,17.8) v1(12.9,62.35) v1(13.25,36.7) v1(13.4,41.4) v1(13.72,82.43) v1(13.7,81.37) v1(13.8,32.2) v1(13.8,24.3) v1(14,71.5) v1(14.25,86.5) v1(14.15,66) v1(14.2,38.7) v1(14.4,46.25) v1(14.46,85.1) v1(14.5,20.3) v1(14.6,81.11) v1(14.59,80.58) v1(14.85,86.5) v1(14.82,81.89) v1(14.99,85.8) v1(15,13.1) v1(15.08,82.35) v1(15.2,81.13) v1(15.5,16.4) v1(15.7,82.8) v1(15.7,82.2) v1(15.8,86) v1(15.9,89.2) v1(16,90.41) v1(16,74) v1(16,70) v1(16,68) v1(16.1,37.05) v1(16.2,86.7) v1(16.4,61.82) v1(16.4,32.6) v1(16.6,89.2) v1(16.65,81.52) v1(16.8,41.3) v1(16.9,29.3) v1(17,92.35) v1(17,71.5) v1(17.01,62.4) v1(17.1,25.1) v1(17.3,89.2) v1(17.5,82.8) v1(17.5,82.27) v1(17.5,61.3) v1(17.6,89.8) v1(17.7,85.3) v1(17.7,84.7) v1(17.7,65.85) v1(17.8,59.78) v1(17.8,53) v1(17.9,47.5) v1(18,12.6) v1(18.05,90.34) v1(18.1,75.4) v1(18.05,74.1) v1(18.2,14.9) v1(18.46,86.2) v1(18.5,83.97) v1(18.51,80.7) v1(18.55,94.25) v1(18.9,61.3) v1(19,86.2) v1(19.5,85.4) v1(19.6,86.2) v1(19.95,29.45) v1(20,60.1) v1(20,28.45) v1(20.2,38.7) v1(20.3,91.95) v1(20.28,74.1) v1(20.5,16.2) v1(20.6,84.35) v1(20.6,70.1) v1(20.6,19.7) v1(20.7,53.6) v1(20.7,48.55) v1(20.8,71.09) v1(20.82,64.01) v1(20.75,30.9) v1(20.8,12.5) v1(21,32.6) v1(21,24.8) v1(21.2,62.8) v1(21.2,60.1) v1(21.2,27.55) v1(21.38,80.33) v1(21.37,79.8) v1(21.45,64.4) v1(21.7,71.09) v1(21.9,22) v1(22,94.3) v1(22,75.3) v1(22.1,37.1) v1(22.3,89.7) v1(22.28,71.6) v1(22.27,70.3) v1(22.45,63.85) v1(22.5,30.9) v1(22.8,70.89) v1(22.9,90.15) v1(22.9,75.4) v1(22.9,12.4) v1(23,74.12) v1(23,15.5) v1(23.1,32.2) v1(23.09,30.72) v1(23.45,90.95) v1(23.45,47.7) v1(23.55,92.55) v1(23.59,29.2) v1(23.7,32.6) v1(23.81,28.72) v1(23.82,12.3) v1(23.95,59.9) v1(23.9,37.7) v1(23.9,19.2) v1(24.15,84.05) v1(24.15,82.25) v1(24.3,90.95) v1(24.35,71.95) v1(24.3,63.5) v1(24.3,26.6) v1(24.62,77.6) v1(24.7,91.4) v1(24.65,83.15) v1(24.8,81.4) v1(24.8,80.7) v1(24.75,59.45) v1(24.9,24.7) v1(24.9,16.9) v1(25,25.85) v1(25,15.1) v1(25,12.4) v1(25.15,84.05) v1(25.15,82.25) v1(25.2,77.01) v1(25.2,74.05) v1(25.3,52.9) v1(25.45,93.95) v1(25.45,92.8) v1(25.5,81.1) v1(25.7,26.6) v1(25.7,22.1) v1(25.78,77.55) v1(25.83,60.05) v1(25.76,23.4) v1(25.75,22.65) v1(26,46.3) v1(26.1,19.3) v1(26.2,28.4) v1(26.3,21.4) v1(26.4,65.25) v1(26.4,13) v1(26.65,91.85) v1(26.7,39.8) v1(26.7,39.3) v1(26.8,61.3) v1(27,52.9) v1(27.2,39.8) v1(27.2,39.3) v1(27.5,48) v1(27.6,91.85) v1(28,13.7) v1(28.1,24.1) v1(28.1,12.5) v1(28.2,25.4) v1(28.2,15.5) v1(28.32,63.9) v1(28.3,26.87) v1(28.3,19.6) v1(28.35,16.75) v1(28.5,21.8) v1(28.5,13.1) v1(28.65,67.8) v1(28.65,94) v1(28.65,92.85) v1(28.66,27.29) v1(28.75,85.1) v1(28.8,24.7) v1(29,60.3) v1(29.1,62.9) v1(29.3,89.8) v1(29.35,85.75) v1(29.3,42.9) v1(29.7,23.5) v1(29.7,12.8) v1(29.75,15.3) v1(29.95,19.7) v1(30.25,85.81) v1(30.15,76.35) v1(30.15,74.55) v1(30.55,82.4) v1(30.65,75.45) v1(30.65,71) v1(30.75,78.65) v1(30.75,78.1) v1(30.75,77.45) v1(30.95,68.1) v1(31,48.5) v1(31.1,92.8) v1(31.15,76.35) v1(31.15,74.55) v1(31.3,20.9) v1(31.4,60.8) v1(31.5,86) v1(31.5,85.25) v1(31.5,72.73) v1(31.5,72.2) v1(31.9,88.2) v1(31.9,69.05) v1(32.1,70.45) v1(32.1,60.8) v1(32.3,12.8) v1(32.4,88.68) v1(32.4,85.65) v1(32.45,24.6) v1(32.5,20.4) v1(32.6,81.6) v1(32.7,60.8) v1(32.8,93.6) v1(32.85,91.8) v1(33.05,68.15) v1(33.25,86) v1(33.25,85.25) v1(33.3,60.8) v1(33.37,77) v1(33.6,81.6) v1(33.6,36.5) v1(33.7,42.9) v1(34,85.6) v1(34,37.2) v1(34.1,13.25) v1(34.2,48.3) v1(34.5,71.3) v1(34.6,88.8) v1(34.6,85.6) v1(34.6,42.4) v1(34.7,86.4) v1(34.7,80.7) v1(34.8,75.2) v1(34.75,67.15) v1(35.05,33.95) v1(35.1,45.7) v1(35.1,30.28) v1(35.1,21.4) v1(35.45,81.3) v1(35.5,34.98) v1(35.58,71.3) v1(35.6,67.95) v1(35.71,29.7) v1(35.85,74.3) v1(35.85,73.4) v1(36,88.3) v1(36,41.5) v1(36.05,91.99) v1(36.1,12.7) v1(36.2,67.35) v1(36.5,79.95) v1(36.65,92) v1(36.8,50) v1(37.1,80) v1(37.05,24.8) v1(37.4,72.2) v1(37.5,23.82) v1(37.5,16.8) v1(38.17,64.45) v1(38.75,63.75) v1(39,76.5) v1(39,12.7) v1(39.2,59.1) v1(39.2,20) v1(39.3,88.5) v1(39.35,63.75) v1(39.4,83.7) v1(39.6,70.6) v1(39.6,24.7) v1(39.6,23.1) v1(39.7,86.8) v1(39.7,76.6) v1(40,89) v1(40.1,62.75) v1(40.1,51.4) v1(40.17,65.2) v1(40.2,15.1) v1(40.3,77.2) v1(40.3,70.67) v1(40.7,89) v1(40.7,72.83) v1(40.7,64.61) v1(40.9,27.3) v1(41,70.67) v1(41.1,78.2) v1(41.31,72.3) v1(41.5,89) v1(41.58,90.8) v1(41.6,90.1) v1(41.6,56.4) v1(41.6,17.5) v1(41.9,78.2) v1(42.1,90.8) v1(42.3,94.5) v1(42.3,93.97) v1(42.4,85.9) v1(42.4,83.9) v1(42.4,83.4) v1(42.4,41.6) v1(42.5,59.2) v1(42.5,35.9) v1(42.5,14.4) v1(42.6,73.6) v1(42.6,50) v1(43.2,63.9) v1(43.2,12.6) v1(43.3,51.9) v1(43.7,90.6) v1(43.7,78.5) v1(43.85,62.05) v1(44,79) v1(44,75) v1(44,73.4) v1(44.3,90.2) v1(44.3,78.5) v1(44.3,38.5) v1(44.4,28.5) v1(44.47,92.35) v1(44.5,89) v1(44.7,82.6) v1(44.8,44.8) v1(44.8,25.3) v1(45.05,92.86) v1(45.2,89) v1(45.2,79.8) v1(45.2,69.2) v1(45.2,50.8) v1(45.2,31.1) v1(45.4,73.6) v1(45.4,27.4) v1(45.63,92.35) v1(45.6,17.2) v1(45.8,22.8) v1(45.9,86.7) v1(45.9,15.1) v1(46,77.9) v1(46.2,19.9) v1(46.3,70.4) v1(46.4,12.5) v1(46.5,68) v1(46.6,85.4) v1(46.6,84.9) v1(46.6,83.4) v1(46.72,72) v1(47,61.7) v1(47.1,42.7) v1(47.35,93.65) v1(47.35,91.9) v1(47.3,71.39) v1(47.3,56.6) v1(47.3,49.5) v1(47.3,36.2) v1(47.4,69.3) v1(47.5,33.7) v1(47.8,29.8) v1(48,53.9) v1(48.1,88.1) v1(48.4,68) v1(48.7,60.9) v1(48.8,75.8) v1(48.8,74.6) v1(48.9,12.5) v1(49.3,70.75) v1(49.5,77.65) v1(49.6,91.9) v1(49.6,83.5) v1(49.7,93.8) v1(49.7,16.2) v1(50.17,88.8) v1(50.2,51.9) v1(50.4,79.3) v1(50.4,78.3) v1(50.4,46.6) v1(50.55,76.8) v1(50.55,75.9) v1(50.55,74.9) v1(50.74,86.7) v1(50.75,87.45) v1(51.01,91.05) v1(50.98,84.83) v1(51,22.8) v1(51.1,28.5) v1(51.19,73.35) v1(51.33,88.8) v1(51.3,71.3) v1(51.45,60.9) v1(51.8,72) v1(52.25,61.25) v1(52.25,56.55) v1(52.9,75.3) v1(53.1,86.48) v1(53.12,59.78) v1(53.7,82.2) v1(53.8,86.5) v1(53.9,35) v1(54,23.4) v1(54.4,85.7) v1(54.4,85) v1(54.4,81.45) v1(54.6,28) v1(54.7,50.95) v1(54.9,59.78) v1(54.9,12.8) v1(55,86.2) v1(55.05,66.7) v1(55.1,47.45) v1(55.6,82.1) v1(55.6,18) v1(55.7,86.2) v1(55.9,61.2) v1(56.1,55.4) v1(56.4,82.1) v1(56.7,19.2) v1(56.95,35.4) v1(56.95,30.05) v1(56.9,25.1) v1(57.1,39.2) v1(57.2,74.2) v1(57.4,43.7) v1(57.4,13.65) v1(57.5,73.25) v1(57.5,66) v1(57.5,61.35) v1(57.5,59) v1(57.6,79) v1(57.6,45.5) v1(57.8,71.3) v2(27.6,34.6) v2(27.6,33.6) v2(27.6,32.6) v2(27.6,31.6) v2(27.6,30.6) v2(28.6,34.6) v2(28.6,33.6) v2(28.6,32.6) v2(28.6,31.6) v2(28.6,30.6) v2(29.6,34.6) v2(29.6,33.6) v2(29.6,32.6) v2(29.6,31.6) v2(29.6,30.6) v2(30.6,34.6) v2(30.6,33.6) v2(30.6,32.6) v2(30.6,31.6) v2(30.6,30.6) v2(31.6,34.6) v2(31.6,33.6) v2(31.6,32.6) v2(31.6,31.6) v2(31.6,30.6)
